# KiCad board sun3_60_layout2_routing2.kicad_pcb (continued)
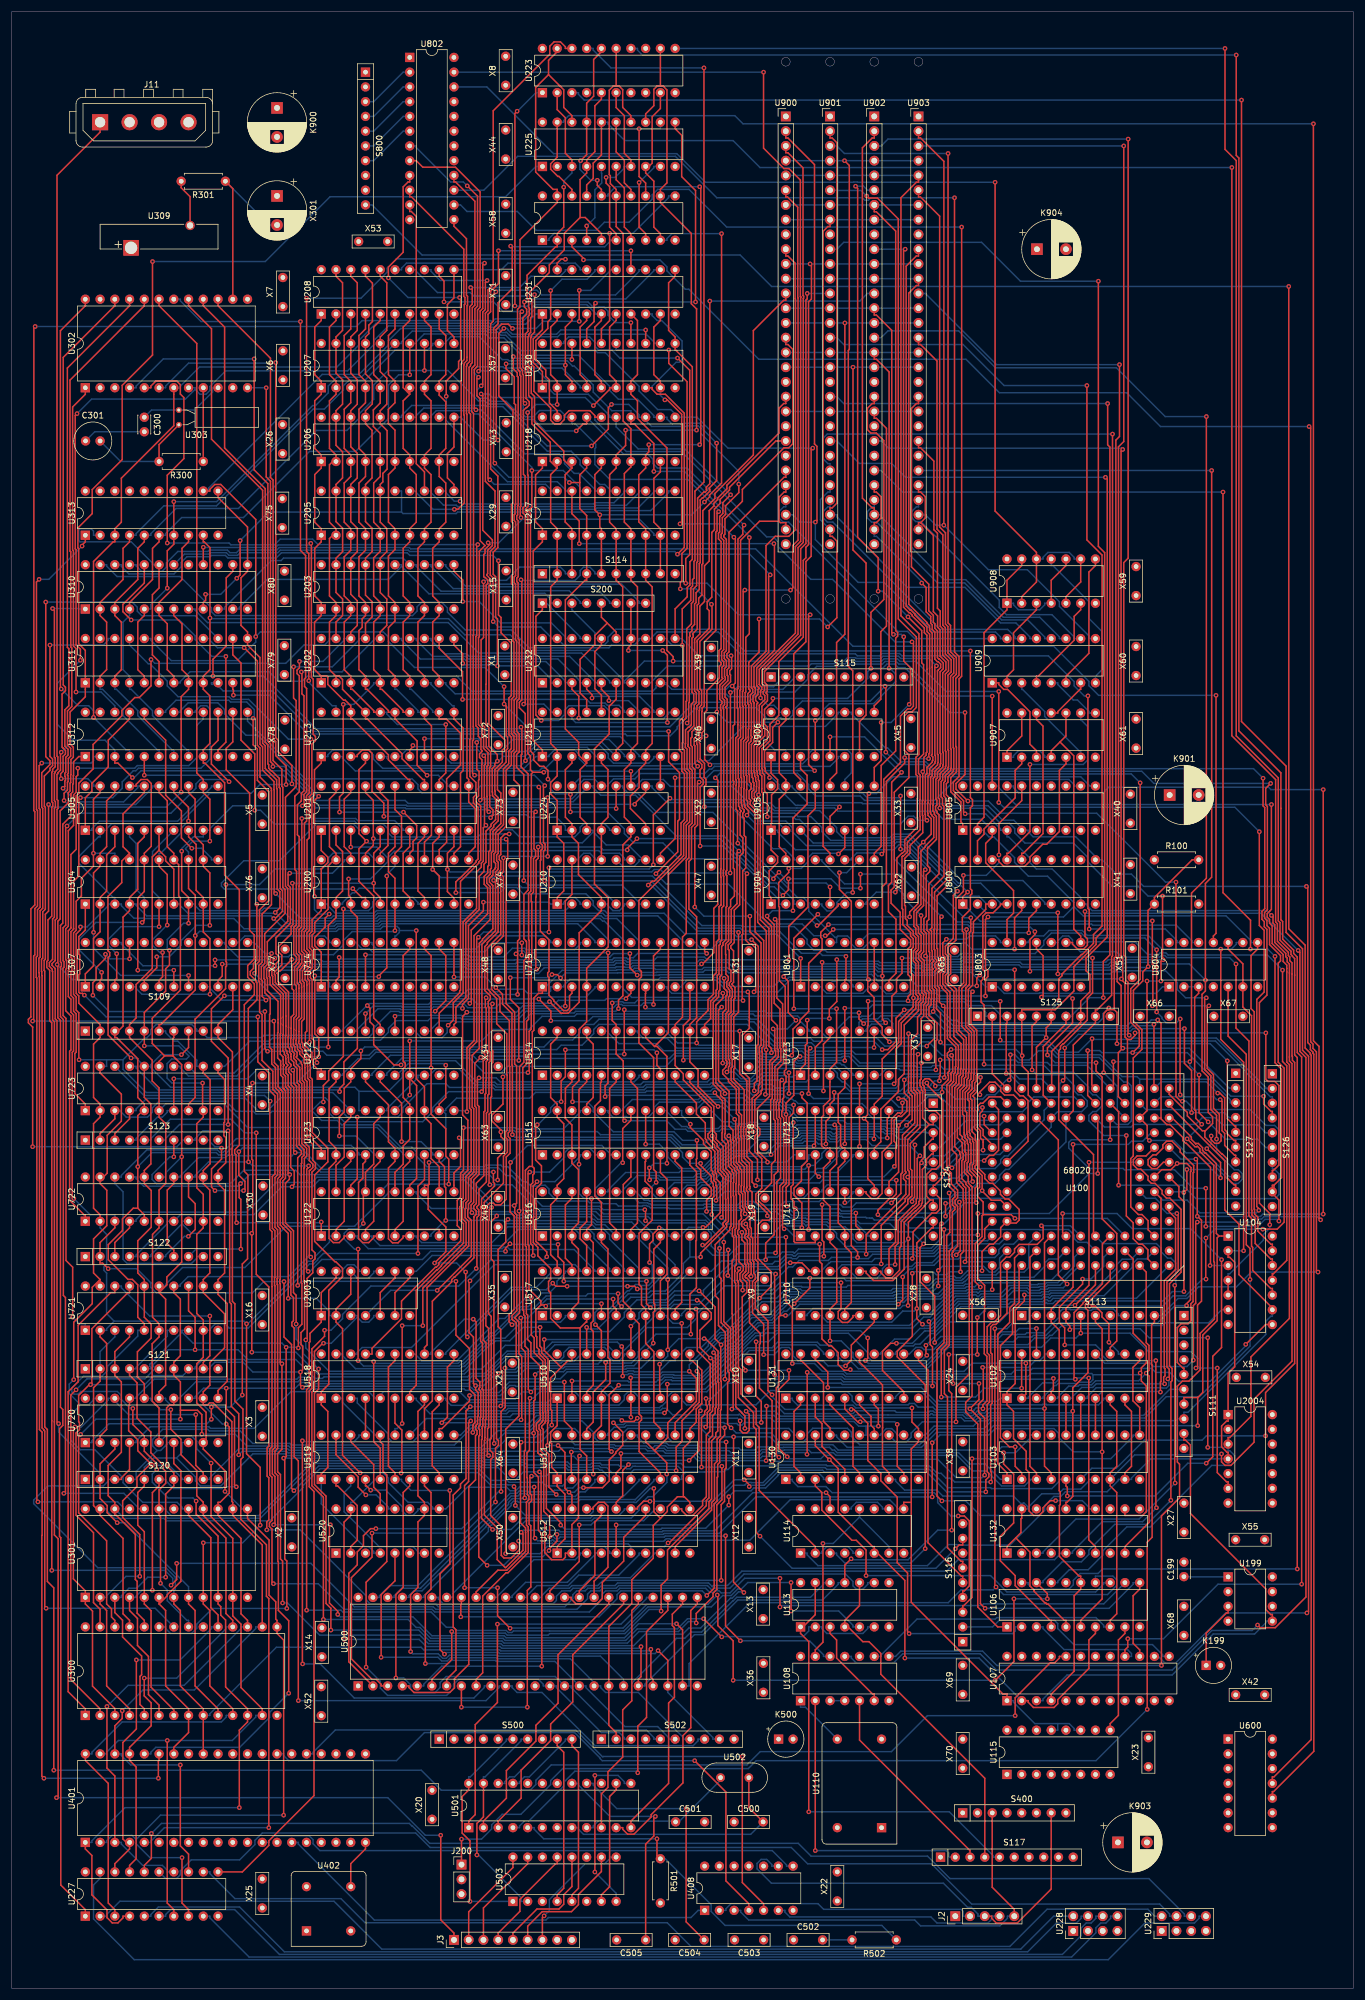
[diagram p0: board, top side]
## Routing (per net, layer and track width the routed paths; a pad name or vN(x,y) marks a point on that pad's centre or on a via; arc(x,y) is an arc through that point) (continued)
/Ethernet/A8: length 348.2
  Top w0.25: U100.13 v1(168.93,120.31) ; v1(162.95,188.92) 162.22,188.2 162.22,180.81 160.85,179.44 160.85,178.13 161.31,177.68 161.31,174.89 160.85,174.44 160.85,173.13 162.31,171.68 162.31,163.91 163.55,162.66 163.55,158.37 163.47,158.29 163.47,157.32 163.19,157.05 163.19,155.78 163.1,155.69 163.1,155.66 162.47,155.03 162.47,144.93 163.33,144.07 163.33,143.67 163.46,143.54 163.46,142.92 163.24,142.69 163.24,139.09 163.93,138.4 163.93,138.24 164.37,137.81 164.37,135.95 164.44,135.88 164.44,125.31 v1(164.22,125.1) ; v1(103.34,92.43) 102.94,92.83 102.94,102.23 v1(104.57,103.86) ; S121.2 15.24,104.56 14.11,103.43 14.11,83.12 15.24,82 ; U511.2 96.52,88.77 96.42,88.87 v1(96.42,92.35) ; U300.25 20.32,63.37 19.19,64.49 19.19,77.48 15.24,81.43 15.24,82 ; 15.24,82 U301.23
  Bottom w0.25: S121.2 15.24,109.64 17.78,112.18 U721.3 ; U301.23 16.37,82.56 16.37,82.28 17.72,80.93 26.24,80.93 26.67,80.5 44.48,80.5 50.16,86.19 50.16,86.53 53.13,89.49 80.47,89.49 82.49,87.47 85.38,87.47 85.71,87.14 91.43,87.14 92.05,86.51 94.92,86.51 95.39,86.99 95.39,87.64 U511.2 ; U905.3 138.09,197.21 151.66,197.21 152.28,197.84 154.03,197.84 v1(162.95,188.92) ; v1(96.42,92.35) 96.49,92.43 v1(103.34,92.43) ; U100.13 168.28,125.1 v1(164.22,125.1) ; v1(168.93,120.31) 168.65,120.03 166.82,120.03 166.48,119.68 166.26,119.9 165.62,119.9 165.57,119.85 164.79,119.85 164.58,119.64 162.28,119.64 158.22,115.58 157.11,115.58 155.22,113.7 130.11,113.7 129.26,112.84 128.08,112.84 127.63,112.39 127.62,112.39 127.19,111.97 127.19,111.96 124.89,109.65 124.25,109.65 124,109.4 123.83,109.4 119.07,104.63 113.78,104.63 113.64,104.77 112.64,104.77 111.74,103.86 v1(104.57,103.86)
/Ethernet/A9: length 350.3
  Top w0.25: U511.5 104.14,88.77 104.96,89.59 v1(104.96,92.1) ; v1(133.87,192.84) 133.87,192.13 132.14,190.4 132.14,186.3 132.26,186.18 132.26,173.5 133.26,172.5 133.26,162.31 133.42,162.15 133.42,158.26 133.12,157.97 133.12,157.36 133.41,157.08 133.41,156.1 133,155.69 133,153.36 132.83,153.2 132.83,151.16 132.67,151 132.67,150.18 133,149.86 133,138.84 132.33,138.16 132.33,123.67 132.39,123.61 132.39,115.86 ; v1(153.5,122.49) 153.5,118.56 v1(152.75,117.8) ; 132.39,115.86 v1(133.31,115.86) ; 132.39,115.86 132.18,115.65 132.18,103.85 131.73,103.4 131.73,91.92 v1(132.18,91.47) ; U300.24 22.86,63.37 21.62,64.6 21.62,70.09 21.31,70.4 21.31,78.17 18.05,81.43 17.78,81.43 U301.22 17.78,83.69 16.64,84.83 16.64,90.04 18.91,92.31 18.91,104.43 17.78,105.55 S121.3 17.78,109.64 20.32,112.18 U721.4 ; U905.6 143.53,196.42 v1(142.43,195.33)
  Bottom w0.25: U100.37 172.6,128.14 171,128.14 170.06,127.2 170.06,126.54 169.36,125.84 163.3,125.84 163.04,125.57 159.95,125.57 158.88,124.5 155.89,124.5 155.23,123.85 154.73,123.85 153.5,122.63 v1(153.5,122.49) ; v1(142.43,195.33) 142.31,195.45 137.98,195.45 137.18,194.65 137.18,193.99 136.02,192.84 v1(133.87,192.84) ; v1(133.31,115.86) 133.82,115.86 135.76,117.8 v1(152.75,117.8) ; U511.5 103.01,87.64 103.01,87.92 101.7,89.23 101.28,89.23 101.01,89.51 100.3,89.51 100.06,89.27 95.86,89.27 95.46,89.66 88.58,89.66 88.13,90.12 81.12,90.12 80.84,90.39 52.28,90.39 42.84,80.96 26.85,80.96 26.4,81.41 18.93,81.41 U301.22 ; v1(132.18,91.47) 132.03,91.62 129.34,91.62 129.04,91.32 118.5,91.32 117.68,92.14 112.64,92.14 112.23,92.55 111.2,92.55 110.75,92.1 v1(104.96,92.1)
/Ethernet/A10: length 345.6
  Top w0.25: v1(160.2,131.67) 159.9,131.37 159.9,123.87 v1(159.64,123.61) v1(159.64,120.94) ; S121.4 20.32,105.55 21.61,104.26 21.61,98.18 23.99,95.8 23.99,92.23 26.14,90.07 26.14,89.44 26.54,89.03 26.54,86.97 25.4,85.83 U301.19 25.4,81.43 25.65,81.18 v1(25.65,69.75) ; v1(114.48,89.15) 114.48,93.19 115.49,94.2 115.49,97.76 117.48,99.75 117.48,99.95 118.44,100.91 118.44,105.87 v1(118.05,106.26) ; v1(166.19,135.28) 165.97,135.5 165.97,137.8 166.29,138.13 166.29,139.55 165.84,140 165.84,140.03 165.05,140.82 165.05,141.95 165.27,142.17 165.27,143.74 165.27,143.75 165.27,145.48 165.1,145.66 165.1,146.19 164.67,146.62 164.67,147.01 164.54,147.14 164.54,147.48 164.53,147.49 164.53,150.81 164.27,151.07 164.27,154.28 164.9,154.91 164.9,154.94 165,155.04 165,156.3 165.27,156.58 165.27,157.54 165.36,157.62 165.36,164.59 164.35,165.59 164.35,172.19 164.42,172.26 164.43,172.26 164.91,172.75 164.91,172.75 165,172.84 165,181.79 165.23,182.02 v1(165.23,184.35) ; v1(153.13,205.31) v1(153.13,196.16)
  Bottom w0.25: U301.19 26.53,82.56 26.53,82.35 27.47,81.41 42.59,81.41 52.03,90.85 81.03,90.85 81.31,90.57 88.31,90.57 88.77,90.12 95.65,90.12 96.04,89.72 99.87,89.72 100.11,89.96 101.2,89.96 101.47,89.69 102.52,89.69 103.41,88.79 106.68,88.79 ; v1(159.64,120.94) 158.75,120.05 152.27,120.05 152.1,119.88 151.88,119.88 151.68,119.68 135.95,119.68 135.67,119.96 133.83,119.96 132.09,118.22 129.24,118.22 127.42,116.41 127.01,116.41 123.07,112.47 122.2,112.47 120.49,110.75 120.49,110.4 118.05,107.96 v1(118.05,106.26) ; v1(166.19,135.28) 164.18,135.28 163.56,134.66 163.56,134.56 160.67,131.67 v1(160.2,131.67) ; v1(165.23,184.35) 164.1,184.35 156.14,192.3 156.14,193.61 153.59,196.16 v1(153.13,196.16) ; U511.6 106.68,88.79 ; 106.68,88.79 107.21,89.32 114.3,89.32 v1(114.48,89.15) ; U100.25 170.2,125.73 170.2,124.15 169.38,123.34 168.43,123.34 167.44,124.33 160.35,124.33 v1(159.64,123.61) ; v1(153.13,205.31) 152.82,205 147.38,205 146.49,205.89 146.06,205.89 U905.10 ; U721.7 26.81,113.31 26.81,112.3 21.45,106.94 21.45,106.68 S121.4 ; U300.21 30.48,63.37 30.2,63.37 26.81,66.75 26.81,68.59 v1(25.65,69.75)
/Ethernet/A11: length 458.5
  Top w0.25: v1(48.26,177.17) 46.32,175.23 46.17,175.23 45.73,174.79 45.88,174.64 45.88,173.38 47.7,171.56 47.7,165.5 47.7,165.5 47.7,163.85 47.63,163.79 47.63,162.04 47.89,161.78 47.89,161.17 48.15,160.91 48.15,160.81 48.12,160.78 48.12,160.46 48.15,160.43 48.15,159.93 48.6,159.47 48.6,158.97 49.16,158.41 49.16,155.96 49.54,155.58 49.54,145.29 50.38,144.45 50.38,143.47 49.98,143.08 49.98,142.11 49.91,142.04 49.91,121.48 50.01,121.38 50.01,114.36 49.4,113.75 v1(49.4,110.27) ; v1(168.65,87.19) 168.79,87.33 168.79,88.86 168.65,89 168.65,100.51 168.91,100.76 168.91,109.2 168.65,109.46 168.65,113.89 169.08,114.31 169.53,114.31 171.47,116.25 U100.12 ; v1(47.3,110.38) 47.3,91.55 47.05,91.3 ; U905.13 138.44,203.15 137.18,201.88 137.18,186.17 133.87,182.87 v1(133.87,177.1) ; v1(47.41,65.42) 47.41,73.59 47.05,73.95 47.05,91.3 ; 47.05,91.3 v1(46.85,91.3)
  Bottom w0.25: 115.95,88.75 115.43,88.23 115.43,87.64 U511.9 ; 115.95,88.75 116.11,88.91 119.32,88.91 119.35,88.94 122.73,88.94 123.14,89.35 123.42,89.35 124.03,89.97 131.7,89.97 131.85,90.12 140.31,90.12 140.47,89.97 158.02,89.97 158.17,89.82 158.3,89.82 159.28,88.84 159.52,88.84 159.68,88.69 160.12,88.69 160.95,87.85 161.64,87.85 161.75,87.75 161.91,87.75 162.47,87.19 v1(168.65,87.19) ; 115.95,88.75 114.82,89.88 107.44,89.88 107.42,89.9 107,89.9 106.57,89.46 105.96,89.46 105.53,89.9 104.77,89.9 104.53,90.14 101.66,90.14 101.38,90.41 99.92,90.41 99.68,90.17 96.23,90.17 95.78,90.62 91.55,90.62 91.15,91.02 81.49,91.02 81.22,91.3 80.28,91.3 69.71,91.3 69.71,91.3 v1(46.85,91.3) ; 29.35,113 23.81,107.46 23.81,107.08 23.99,106.91 23.99,106.68 S121.5 ; 29.35,113 31.26,111.1 46.58,111.1 v1(47.3,110.38) 49.28,110.38 v1(49.4,110.27) ; 29.35,113 29.35,113.31 U721.8 ; v1(47.41,65.42) 34.61,65.42 31.89,62.71 31.89,62.01 31,61.11 27.37,61.11 26.53,61.96 26.53,62.24 U300.23 ; v1(133.87,177.1) 119.8,177.1 119.33,177.57 111.21,177.57 110.64,177 106.71,177 106.42,176.71 106.02,176.71 105.74,176.99 103.97,176.99 103.63,176.65 87.01,176.65 86.78,176.42 78.88,176.42 78.52,176.78 53.63,176.78 53.25,177.17 v1(48.26,177.17)
/Ethernet/A12: length 382.7
  Top w0.25: v1(105.27,105.43) 105.27,110.35 v1(105.09,110.52) ; v1(128.83,118.85) 130.86,120.87 130.86,123.39 128.56,125.69 128.56,131.49 129.33,132.26 130.5,132.26 130.91,132.66 130.91,133.45 129.39,134.96 129.3,134.96 128.64,135.62 128.64,136.56 129.3,137.22 129.42,137.22 130.91,138.7 130.91,141.92 131.55,142.56 131.55,149.39 131.27,149.67 131.27,152.85 131.48,153.06 131.48,158.68 132.52,159.72 132.52,161.78 132.36,161.93 132.36,168.63 131.36,169.63 131.36,183.17 130.15,184.38 v1(130.15,184.64) ; U511.12 114.3,97.4 117.97,101.07 117.97,105.03 v1(116.74,106.26) ; v1(31.61,109.96) 31.61,115.52 30.48,116.65 U721.13 ; U906.3 135.91,209.99 137.03,208.86 137.03,203.93 134.6,201.5 v1(134.6,185.56) ; U300.2 15.24,48.13 10.19,53.18 10.19,102.14 v1(11.1,103.05)
  Bottom w0.25: v1(130.15,184.64) 131.07,185.56 v1(134.6,185.56) ; v1(11.1,103.05) 12.99,104.95 22.96,104.95 24.77,106.76 ; 24.77,106.76 24.31,107.22 24.31,107.32 26.95,109.96 v1(31.61,109.96) 39,109.96 40.68,108.28 48.95,108.28 52.2,105.02 53.55,105.02 53.82,105.3 78.56,105.3 79.12,105.86 81.48,105.86 85.34,109.72 91.58,109.72 93.13,111.27 104.35,111.27 v1(105.09,110.52) ; 24.77,106.76 24.85,106.68 S121.6 ; U100.36 175.23,128.22 175.23,124.14 174.42,123.33 170.06,123.33 169.57,122.84 164.65,122.84 163.97,122.16 163.91,122.16 163.65,121.9 162.5,121.9 162.24,122.16 161.6,122.16 161.15,121.71 159.98,121.71 159.94,121.67 159.34,121.67 158.91,121.24 158.91,121.14 158.28,120.51 151.87,120.51 151.49,120.13 136.14,120.13 135.86,120.41 133.36,120.41 131.8,118.85 v1(128.83,118.85) 128.8,118.85 122.87,112.92 122.01,112.92 120.04,110.94 120.04,110.66 116.74,107.37 v1(116.74,106.26) 116.6,106.12 112.08,106.12 111.63,105.67 107.11,105.67 106.93,105.86 106.33,105.86 106.15,105.67 105.51,105.67 v1(105.27,105.43)
/Ethernet/A13: length 490
  Top w0.25: U100.24 172.77,125.76 172.77,117.95 171.93,117.11 171.93,114.67 169.89,112.62 169.89,90.35 171.47,88.77 U103.1 ; v1(51.54,125.92) 51.28,126.18 51.28,140.76 51.41,140.9 51.46,140.9 51.89,141.32 51.89,141.93 51.28,142.53 51.28,144.82 50.44,145.66 50.44,155.96 50.08,156.32 50.08,158.33 50.07,158.35 50.07,159.02 49.92,159.16 49.92,159.43 49.05,160.3 49.05,160.43 49.18,160.56 49.18,161.16 48.8,161.54 48.8,162.15 48.54,162.41 48.54,163.41 48.6,163.48 48.6,165.12 48.6,165.13 48.6,167.05 49.05,167.5 49.05,172.01 49.05,172.01 49.05,172.61 48.74,172.91 48.74,175.86 49.3,176.41 49.3,176.48 49.4,176.58 49.4,176.64 49.53,176.77 49.53,177.75 49.05,178.23 49.05,182.49 49.5,182.94 49.5,189.77 49.54,189.81 49.54,198.31 49.23,198.62 49.23,203.78 49.91,204.47 49.91,205.76 50.37,206.21 50.37,222.55 50.01,222.91 50.01,226.58 v1(49.91,226.68) ; U300.26 17.78,63.37 17.21,63.94 17.21,65.35 16.37,66.19 16.37,77.06 11.54,81.88 11.54,95.04 v1(11.89,95.38) ; 29.08,99.54 29.08,104.42 27.94,105.55 S121.7 27.94,107.81 29.07,108.93 29.07,118.67 27.94,119.8 U721.14 ; 29.08,99.54 32.01,99.54 32.77,98.79 v1(32.77,95.43) ; 29.08,99.54 v1(29.08,98.01) ; U202.16 63.5,233.55 64.63,234.67 64.63,239.21 63.5,240.34 U203.16 63.5,246.25 64.63,247.37 64.63,251.34 63.5,252.47 U205.16 63.5,258.95 63.95,259.4 63.95,260.85 64.68,261.59 64.68,268.21 63.5,269.39 U206.16 63.5,271.65 64.63,272.77 64.63,277.26 63.5,278.39 U207.16 63.5,284.35 64.63,285.47 64.63,293.67 63.5,294.79 U208.16
  Bottom w0.25: v1(29.08,98.01) 14.52,98.01 v1(11.89,95.38) ; v1(32.77,95.43) 38.5,95.43 40.55,93.38 47.72,93.38 48,93.11 80.84,93.11 83.78,96.04 89.35,96.04 91.03,97.72 98.23,97.72 100.47,95.48 100.47,94.77 101.11,94.13 105.55,94.13 U511.15 107.81,95.26 107.81,94.98 108.88,93.9 112.79,93.9 113.2,93.49 118.31,93.49 118.76,93.04 125.27,93.04 125.63,92.68 128.01,92.68 128.56,93.23 130.75,93.23 130.88,93.1 132.88,93.1 132.94,93.16 140.89,93.16 141.36,92.69 141.75,92.69 142.2,92.24 163.14,92.24 165.07,90.3 167.68,90.3 170.34,87.64 U103.1 ; U721.14 29.07,120.93 29.07,121.21 30.41,122.55 47.68,122.55 51.05,125.92 v1(51.54,125.92) ; U202.16 62.37,232.42 62.37,232.14 56.91,226.68 v1(49.91,226.68)
/Ethernet/A14: length 574.9
  Top w0.25: U300.27 15.24,65.28 14.11,66.42 14.11,78.46 11.09,81.47 11.09,95.61 11.69,96.21 11.69,97.43 11.54,97.57 11.54,102.1 13.39,103.94 v1(13.6,103.94) 13.83,104.17 13.83,113.59 20.04,119.8 20.32,119.8 U721.17 ; U208.17 60.96,294.79 62.16,293.6 62.16,287 61.53,286.37 61.53,284.92 60.96,284.35 U207.17 60.96,278 62.14,276.82 62.14,272.82 60.96,271.65 U206.17 60.96,269.39 62.09,268.27 62.09,260.07 60.96,258.95 U205.17 60.96,252.54 62.1,251.41 62.1,247.38 60.96,246.25 U203.17 60.96,239.9 62.09,238.77 62.09,236.14 60.96,235 U202.17 ; v1(126.14,68.17) 124.37,69.95 v1(124.37,94.96) ; U103.2 174,88.77 172.88,89.89 v1(172.88,93.24) 171.88,93.24 170.34,94.79 170.34,110.66 172.43,112.75 172.43,116.97 173.55,118.09 173.55,124.01 U100.11 ; v1(46.68,66.36) 46.68,73.57 46.31,73.93 46.31,88.47 45.82,88.96 45.82,92.08 46.57,92.83 v1(46.57,107.55) 46.27,107.85 46.27,121.33 46.2,121.4 46.2,122 46.27,122.07 46.27,130.8 45.82,131.25 45.82,139.41 46.27,139.86 46.27,140.51 46.27,140.51 46.27,154.17 46.02,154.42 46.02,154.48 45.45,155.05 45.45,158.54 44.81,159.18 44.81,161.66 44.44,162.03 44.44,167.7 44.54,167.8 44.54,170.5 43.62,171.42 43.62,173.7 43.47,173.85 43.47,175.72 44.05,176.3 44.05,177.9 44.05,177.9 44.05,180.22 47.57,183.74 47.57,189.38 47.18,189.77 47.18,205.09 49.01,206.92 49.01,221.73 48.57,222.17 v1(48.57,227.55)
  Bottom w0.25: U511.16 105.27,95.26 105.27,95.54 106.15,96.42 118.77,96.42 120.23,94.96 v1(124.37,94.96) 130.64,94.96 131.99,93.61 141.47,93.61 142.39,92.69 170.03,92.69 170.58,93.24 v1(172.88,93.24) ; v1(46.68,66.36) 47.53,66.36 53.07,60.83 70.32,60.83 71.79,59.36 84.29,59.36 84.63,59.01 107.16,59.01 109.14,60.99 115.6,60.99 116.66,62.05 118.69,62.05 123.83,67.19 124.13,67.19 125.22,68.28 126.03,68.28 v1(126.14,68.17) ; v1(46.57,107.55) 46.29,107.83 40.5,107.83 40.05,108.28 32.92,108.28 31.61,106.96 31.61,106.68 30.67,106.68 ; S121.8 30.67,106.68 ; 30.67,106.68 29.49,105.51 24.48,105.51 22.91,103.94 v1(13.6,103.94) ; U202.17 59.83,232.42 59.83,232.14 55.24,227.55 v1(48.57,227.55)
/Ethernet/A15: length 515
  Top w0.25: U100.23 175.42,125.87 175.42,107.97 175.44,107.95 175.44,104.81 175.42,104.79 175.42,89.89 176.55,88.77 U103.3 ; U511.19 96.52,96.39 95.22,97.69 v1(95.22,104.4) ; U208.18 58.42,294.79 59.55,293.67 59.55,285.47 58.42,284.35 U207.18 58.42,278.1 59.55,276.97 59.55,272.77 58.42,271.65 U206.18 58.42,265.44 59.55,264.32 59.55,260.07 58.42,258.95 U205.18 58.42,252.54 59.56,251.41 59.56,247.38 58.42,246.25 U203.18 58.42,240.04 59.55,238.92 59.55,234.67 58.42,233.55 U202.18 ; v1(49.59,228.48) 49.59,227.39 49.17,226.98 49.17,226.37 49.56,225.98 49.56,206.04 48.78,205.26 48.78,192.65 49.08,192.35 49.08,190 49.05,189.96 49.05,183.12 48.6,182.67 48.6,178.04 49.08,177.56 49.08,176.96 48.95,176.83 48.95,176.77 48.29,176.11 48.29,172.13 48.6,171.82 48.6,167.68 48.15,167.24 48.15,165.31 48.15,165.31 48.15,163.66 48.08,163.6 48.08,162.23 48.34,161.97 48.34,161.36 48.73,160.97 48.73,160.75 48.6,160.62 48.6,160.61 48.6,160.11 49.05,159.66 49.05,159.16 49.61,158.6 49.61,158.16 49.63,158.15 49.63,156.13 49.99,155.77 49.99,145.48 50.83,144.64 50.83,143.29 50.43,142.89 50.43,141.93 50.43,141.92 50.43,141.32 50.43,141.28 50.36,141.21 50.36,121.67 50.46,121.57 50.46,113.53 49.85,112.92 49.85,110.84 50.12,110.57 50.12,106.49 v1(49.76,106.13) 49.76,103.82 v1(50.09,103.49) ; S121.9 33.02,107.81 34.15,108.93 v1(34.15,115.77) ; U300.1 12.7,48.13 9.74,51.09 9.74,102.72 11.46,104.44 11.46,114.18 17.08,119.8 17.78,119.8 U721.18
  Bottom w0.25: v1(34.15,115.77) 23.78,115.77 18.91,120.64 18.91,120.93 U721.18 ; v1(49.76,106.13) 41.56,106.13 39.88,107.81 34.99,107.81 34.15,106.96 34.15,106.68 S121.9 ; v1(49.59,228.48) 53.64,228.48 57.29,232.14 57.29,232.42 U202.18 ; v1(95.22,104.4) 85.74,104.4 83.94,102.59 79.44,102.59 79.07,102.97 78.2,102.97 77.95,103.22 50.36,103.22 v1(50.09,103.49) ; U511.19 96.52,94.13 97.05,93.6 103.83,93.6 104.03,93.4 109.34,93.4 109.74,93 110.38,93 110.83,93.45 112.6,93.45 113.01,93.04 118.05,93.04 118.28,92.82 118.35,92.82 118.57,92.59 123.55,92.59 123.91,92.23 128.2,92.23 128.27,92.3 128.74,92.3 129.22,92.78 130.57,92.78 130.69,92.65 133.07,92.65 133.13,92.7 137.3,92.7 137.76,92.24 141.56,92.24 142.01,91.78 162.87,91.78 165.56,89.1 167.95,89.1 170.53,86.51 174.48,86.51 175.42,87.45 175.42,87.64 U103.3
/Ethernet/A16: length 509.7
  Top w0.25: U103.4 179.09,88.77 177.93,89.92 v1(177.93,99.84) 177.93,128.39 U100.35 ; v1(10.72,135.99) 10.44,136.27 10.44,161.17 10.67,161.39 10.67,167.61 10.22,168.07 10.22,170.32 9.77,170.77 9.77,175.27 9.93,175.43 9.93,177.16 9.77,177.32 9.77,182.11 10.22,182.56 10.22,182.69 10.22,182.69 10.22,195.22 11.12,196.13 11.12,204.99 11.13,205 11.13,205.32 11.57,205.76 11.57,207.5 14.04,209.97 14.04,214.18 18.98,219.12 18.98,220.02 21.22,222.26 22,222.26 24.02,224.28 v1(24.02,228.8) ; v1(46.92,121.7) 46.92,112.16 48.22,110.86 48.22,86.11 v1(48.63,85.69) ; v1(97.83,91.67) 97.65,91.49 97.65,80.99 96.52,79.86 U512.2 95.39,74.94 95.39,74.24 94.97,73.81 93.04,73.81 91.84,75.01 91.84,80.06 91.21,80.69 91.21,88.66 v1(90.94,88.94) ; U202.19 55.88,235.26 57.01,236.39 57.01,239.22 55.88,240.35 U203.19 55.88,246.25 57.02,247.38 57.02,251.41 55.88,252.54 U205.19 55.88,258.95 57.01,260.07 57.01,264.56 55.88,265.69 U206.19 55.88,271.65 57.01,272.77 57.01,276.97 55.88,278.1 U207.19 55.88,284.35 57.01,285.47 57.01,293.67 55.88,294.79 U208.19 ; v1(129.97,90.87) 130.04,90.95 v1(130.04,100.26) ; v1(16.64,123.92) 15.67,124.88 15.24,124.88 S122.2 15.24,128.41 17.78,130.95 U722.3
  Bottom w0.25: v1(10.72,135.99) 13.5,133.21 17.78,133.21 U722.3 ; U202.19 54.75,232.42 54.75,232.14 53.91,231.29 50.35,231.29 47.21,228.15 24.66,228.15 v1(24.02,228.8) ; v1(90.94,88.94) 88.17,88.94 86.83,87.59 85.89,87.59 83.81,89.67 80.93,89.67 80.66,89.94 52.88,89.94 v1(48.63,85.69) ; v1(16.64,123.92) 21.56,123.92 23.99,121.49 23.99,120.7 24.93,119.76 41.48,119.76 43.43,121.7 v1(46.92,121.7) ; v1(97.83,91.67) 98.13,91.37 111.48,91.37 111.8,91.69 117.38,91.69 118.2,90.87 v1(129.97,90.87) ; v1(177.93,99.84) 168.39,99.84 168.05,99.5 168.05,99.5 167.63,99.08 167.03,99.08 166.66,99.44 166.38,99.44 166.25,99.32 166.25,99.32 165.56,98.63 164.59,98.63 164.04,99.18 158.96,99.18 158.74,99.4 158.21,99.4 157.98,99.18 152.42,99.18 152.15,99.45 145.42,99.45 144.94,98.97 133.12,98.97 131.83,100.26 v1(130.04,100.26)
/Ethernet/A17: length 450.8
  Top w0.25: U100.34 181.05,130.11 v1(181.05,133.41) ; U512.5 v1(104.14,79.8) ; U103.5 181.62,86.51 181.86,86.28 v1(181.86,84.79) ; U200.19 60.96,195.45 62.31,196.79 v1(62.31,197.97) 62.31,204.55 60.96,205.89 U201.19 ; S122.3 17.78,128.41 20.32,130.95 U722.4 ; v1(85.18,197.87) 85.45,197.6 85.45,194.35 85.18,194.08 85.18,169.57 86.64,168.11 86.64,159.17 86.99,158.83 86.99,135.19 v1(86.59,134.79) 86.67,134.7 86.67,133.53 87.02,133.18 87.02,116.67 86.2,115.85 86.2,115.22 86.42,115 86.5,115 86.92,114.57 86.92,108.72 87.38,108.26 87.38,98.55 85.1,96.27 v1(85.1,74.85) ; v1(208.43,125.47) 208.43,110.35 206.91,108.83 206.91,91.54 v1(205.8,90.42)
  Bottom w0.25: v1(104.14,79.8) 117.5,79.8 124.32,86.62 126.27,86.62 126.77,87.12 127.37,87.12 127.41,87.07 129.44,87.07 132.04,89.67 140.12,89.67 140.44,89.36 158.1,89.36 161.24,86.22 168.64,86.22 168.8,86.05 179.19,86.05 180.5,87.36 180.5,87.64 U103.5 ; v1(86.59,134.79) 83.41,134.79 78.53,139.66 52.58,139.66 51.68,138.76 45.58,138.76 40.47,133.66 22.74,133.66 21.45,132.36 21.45,132.08 U722.4 ; v1(62.31,197.97) 62.47,197.8 85.11,197.8 v1(85.18,197.87) ; U512.5 103.01,74.94 103.01,75.22 102.15,76.08 92.98,76.08 92.96,76.11 92.27,76.11 91.01,74.85 v1(85.1,74.85) ; v1(208.43,125.47) 203.08,130.82 193.03,130.82 190.44,133.41 v1(181.05,133.41) ; v1(181.86,84.79) 196.98,84.79 202.61,90.42 v1(205.8,90.42)
/Ethernet/A18: length 354
  Top w0.25: U201.20 58.42,205.89 57.29,204.77 57.29,196.57 58.42,195.45 U200.20 ; v1(113.08,76.7) 113.26,76.7 119.67,83.12 119.67,84 120.13,84.45 120.13,94.56 120.74,95.18 120.74,98.56 121.19,99.01 121.19,99.9 121.34,100.04 121.34,104.13 121.25,104.23 121.25,109.14 v1(120.92,109.46) ; v1(47.9,192.01) 47.63,191.74 47.63,189.96 48.02,189.56 48.02,183.37 45.53,180.88 45.53,178.18 46.08,177.63 46.08,176.98 45.53,176.43 45.53,175.86 44.83,175.16 44.83,174.41 44.97,174.27 44.97,173.01 46.79,171.19 46.79,167.23 46.8,167.22 46.8,165.87 46.79,165.87 46.79,164.23 46.73,164.16 46.73,161.44 46.99,161.18 46.99,160.79 47.21,160.57 47.21,160.08 47.24,160.05 47.24,159.33 47.57,159 47.57,158.9 47.26,158.58 47.26,157.61 47.63,157.23 47.63,155.43 48.08,154.98 48.08,141.37 48.68,140.77 48.68,138.4 v1(48.3,138.02) ; v1(87.34,77.02) 87.49,76.87 87.49,75.54 86.06,74.11 84.81,74.11 84.36,74.56 84.36,79.58 82.52,81.42 82.52,91.07 82.9,91.45 82.9,92.17 82.41,92.66 82.41,94.46 82.62,94.68 82.62,115.7 82.14,116.18 82.14,132.19 82.28,132.33 82.28,134.08 v1(82.69,134.48)
  Bottom w0.25: v1(87.34,77.02) 87.75,76.61 93.17,76.61 93.18,76.62 93.27,76.54 106.21,76.54 106.68,76.07 ; 106.68,76.07 112.45,76.07 v1(113.08,76.7) ; 106.68,76.07 U512.6 ; v1(82.69,134.48) 77.96,139.21 53,139.21 51.81,138.02 v1(48.3,138.02) 46.53,138.02 41.72,133.21 29.07,133.21 U722.7 26.81,132.08 26.81,131.65 21.45,126.29 21.45,126.01 S122.4 ; v1(120.92,109.46) 120.94,109.48 120.94,110.57 122.34,111.97 123.36,111.97 127.35,115.96 130.46,115.96 132.45,117.95 132.53,117.95 134.09,119.51 135.48,119.51 135.77,119.22 151.86,119.22 152.07,119.43 152.52,119.43 152.69,119.6 159.62,119.6 161.27,121.26 161.34,121.26 161.79,121.71 162.05,121.71 162.32,121.45 163.83,121.45 164.1,121.71 164.23,121.71 164.91,122.39 170.34,122.39 170.38,122.43 176.08,122.43 177.96,124.31 177.96,124.88 178.67,125.58 180.21,125.58 U100.21 ; v1(47.9,192.01) 55.27,192.01 57.29,194.04 57.29,194.32 U200.20
/Ethernet/A19: length 334.9
  Top w0.25: 55.88,194.88 55.88,194.63 54.53,193.28 54.53,185.82 52.21,183.51 52.21,181.82 51.76,181.36 51.76,179.35 52.24,178.87 52.24,175.42 51.45,174.63 51.45,174.03 51.76,173.73 51.76,163.53 52.18,163.1 52.18,160.1 52.6,159.68 v1(52.6,159.4) ; 55.88,194.88 55.88,195.45 54.75,196.57 54.75,204.77 55.88,205.89 U201.21 ; 55.88,194.88 U200.21 ; U512.9 114.3,76.07 120.58,82.34 120.58,83.62 121.08,84.12 121.08,90.3 121.53,90.75 121.53,94.58 122.1,95.15 122.1,99.52 122.24,99.67 122.24,104.51 122.15,104.6 122.15,110.75 v1(122.21,110.81) 121.18,111.85 121.18,117.34 v1(118.43,120.09) ; v1(41.5,155.88) 41.37,155.75 41.37,142.77 41.54,142.6 41.54,130.18 v1(41.37,130.01) v1(41.37,109.54)
  Bottom w0.25: v1(41.37,130.01) 31,130.01 29.35,131.65 ; 29.35,131.65 23.99,126.29 23.99,126.01 S122.5 ; 29.35,131.65 29.35,132.08 U722.8 ; v1(41.5,155.88) 49.08,155.88 v1(52.6,159.4) ; U100.8 179.14,121.98 178.1,121.98 171.49,121.98 171.45,121.94 165.74,121.94 165.06,121.26 164.28,121.26 164.02,120.99 162.13,120.99 161.97,121.15 161.87,121.15 159.87,119.15 154.08,119.15 153.7,118.77 153.44,118.77 153.23,118.98 152.26,118.98 152.05,118.77 135.58,118.77 135.29,119.06 134.32,119.06 134.19,118.93 134.15,118.93 132.72,117.5 132.64,117.5 131.68,116.54 131.68,116.46 130.73,115.51 127.55,115.51 123.5,111.46 122.86,111.46 v1(122.21,110.81) ; v1(118.43,120.09) 114.21,120.09 112.67,118.55 110.05,118.55 110.05,118.54 107.72,118.54 105.55,116.38 105.55,115.6 103.04,113.09 89.96,113.09 87.59,110.72 85.04,110.72 80.96,106.64 78.85,106.64 78.01,105.8 52.7,105.8 48.96,109.54 v1(41.37,109.54)
/Ethernet/A20: length 362.2
  Top w0.25: U200.4 60.96,187.83 60.32,187.83 v1(58.78,189.36) ; v1(109.36,121.76) 109.36,117.89 v1(110.05,117.21) ; v1(30.45,129.49) 31.63,130.67 31.63,135.11 30.48,136.26 U722.13 ; v1(42.24,186.66) 42.24,177.05 41.67,176.47 41.67,175.63 41.12,175.08 41.12,174.48 42.12,173.48 42.12,173.29 42.26,173.14 42.26,170.22 40.77,168.73 40.77,142.34 v1(40.81,142.3) ; v1(118.07,118.49) 118.34,118.49 120.53,116.3 120.53,115.27 118.57,113.31 118.57,110.35 v1(120.39,108.53) 120.79,108.13 120.79,104.04 120.83,104 120.83,100.17 120.74,100.08 120.74,99.42 120.29,98.97 120.29,95.9 119.68,95.29 119.68,84.64 119.03,83.99 119.03,83.14 117.32,81.43 116.27,81.43 115.43,82.28 115.43,82.56 U512.12 ; v1(94.12,128.1) 94.12,126.01 95.12,125.02 v1(95.12,121.76) ; v1(51.09,123.45) 50.81,123.72 50.81,139.05 50.83,139.07 50.83,141.04 51.13,141.34 51.13,141.6 v1(51.16,141.62) ; v1(85.08,126.92) 85.08,127.44 v1(85.84,128.21)
  Bottom w0.25: 42.04,189.29 42.04,186.86 v1(42.24,186.66) ; 42.04,189.29 58.71,189.29 v1(58.78,189.36) ; 42.04,189.29 36.64,189.29 36.15,189.79 36.15,190.32 39.98,194.16 46.15,194.16 52.21,200.22 52.21,200.34 52.4,200.53 58.89,200.53 59.83,199.58 59.83,199.4 U201.4 ; U100.20 183.08,125.91 183.08,124.37 180.23,121.52 178.29,121.52 178.06,121.3 176.88,121.3 176.74,121.17 175.64,121.17 175.32,121.48 166.58,121.48 165.9,120.81 164.47,120.81 164.21,120.54 161.9,120.54 160.06,118.7 154.27,118.7 153.67,118.1 153.47,118.1 153.05,118.53 152.45,118.53 152.17,118.25 135.46,118.25 135.11,118.61 134.51,118.61 134.38,118.48 134.34,118.48 132.9,117.04 132.83,117.04 132.13,116.35 132.13,116.28 130.91,115.05 128.28,115.05 124.24,111.01 123.53,111.01 121.05,108.53 v1(120.39,108.53) ; v1(85.84,128.21) 85.95,128.1 v1(94.12,128.1) ; v1(51.16,141.62) 41.49,141.62 v1(40.81,142.3) 33.93,142.3 31.61,139.98 31.61,139.7 U722.13 ; v1(118.07,118.49) 114.17,118.49 113.32,117.64 110.49,117.64 v1(110.05,117.21) ; S122.6 26.53,126.01 26.53,126.24 29.78,129.49 v1(30.45,129.49) ; v1(51.09,123.45) 51.37,123.45 53.43,125.5 70.77,125.5 72.18,126.92 v1(85.08,126.92) ; v1(95.12,121.76) v1(109.36,121.76)
/Ethernet/A21: length 367.4
  Top w0.25: v1(82.86,79.01) 80.95,80.92 80.95,94.46 81.06,94.56 81.06,95.02 81.08,95.05 81.08,96.4 81.06,96.42 81.06,96.73 81.17,96.84 81.17,98.08 81.27,98.18 81.27,102.98 81.06,103.19 81.06,103.23 81.11,103.28 81.11,111.12 80.79,111.44 80.79,132.75 80.92,132.89 80.92,134.24 80.79,134.38 80.79,134.59 80.96,134.76 80.96,135.92 83.19,138.15 83.19,138.59 83,138.78 v1(83,140.57) ; U512.15 107.81,82.56 107.81,82.84 108.84,83.87 v1(109.95,83.87) ; U201.5 63.5,196.59 62.37,195.46 v1(62.37,190.29) 62.37,188.95 63.5,187.83 U200.5 ; v1(177.4,131.31) 177.69,131.02 177.69,129.13 176.66,128.1 173.55,128.1 172.76,127.31 172.76,126.74 171.94,125.91 171.33,125.91 170.35,124.94 170.35,115.82 169.3,114.77 168.89,114.77 168.05,113.93 168.05,109.42 168.46,109.01 168.46,100.95 168.05,100.55 168.05,88.96 168.34,88.67 168.34,88.07 167.82,87.54 v1(167.82,85.49) ; v1(48.36,190.3) 48.47,190.18 48.47,183.18 48.15,182.86 48.15,181.56 45.98,179.4 45.98,178.47 46.54,177.91 46.54,176.24 45.28,174.97 45.28,174.6 45.43,174.45 45.43,173.19 47.24,171.37 47.24,167.41 47.25,167.41 47.25,165.69 47.24,165.68 47.24,164.04 47.18,163.98 47.18,161.63 47.44,161.37 47.44,160.98 47.66,160.76 47.66,160.27 47.7,160.24 47.7,159.51 48.13,159.07 48.13,158.82 47.71,158.4 47.71,157.8 48.15,157.36 48.15,155.55 48.6,155.1 48.6,144.17 v1(48.86,143.91) ; S122.7 27.94,127.13 26.81,128.26 26.81,137.45 27.94,138.57 U722.14 ; v1(126.2,87.58) 127.07,86.71 v1(127.07,86.39)